# Altium PCB STM32F207VC.PcbDoc (part 12 of 16)
Units mm, origin at the board's own origin, x right, y up, seen from the top; angles counter-clockwise.
Board outline 99.19 x 99.95 mm, 2 copper layers (Top Layer, Bottom Layer); 127 components, 125 nets, 570 pads, 172 vias.
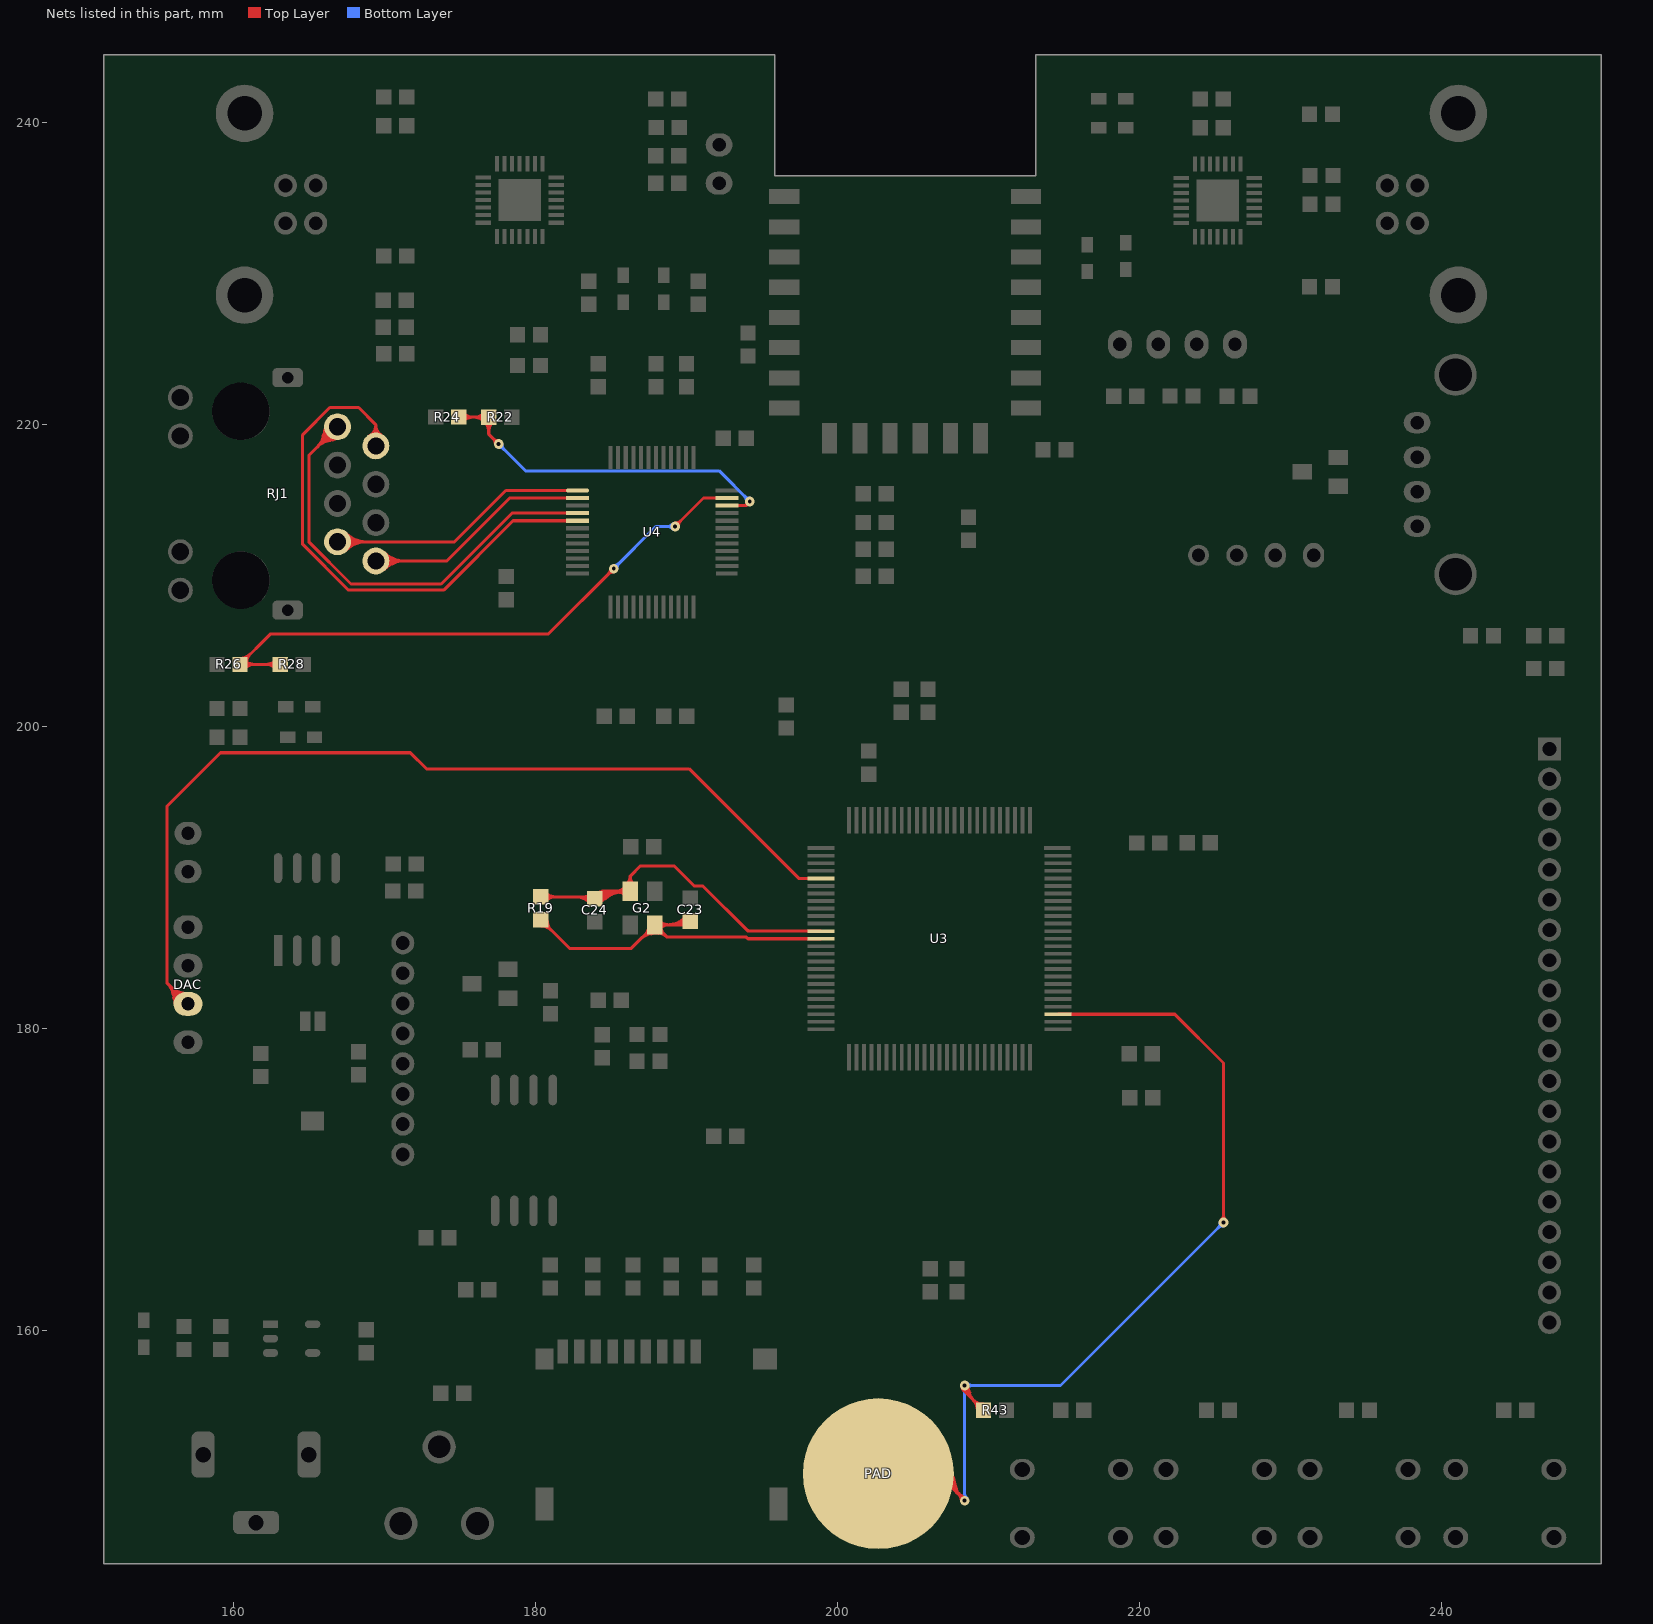
[diagram p12: the nets of this part, all layers, seen from the top]

## Via types
v1: diameter 0.635, hole 0.254, Top Layer to Bottom Layer, tented both sides, 152 vias
v2: diameter 0.635, hole 0.406, Top Layer to Bottom Layer, 18 vias
v3: diameter 1, hole 1, Top Layer to Bottom Layer, 2 vias

## Nets (pads, with @x,y where several pads share a name; then routed paths per layer and width w, separated by ;. In a path a pad name is that pad's centre, name@x,y a point inside that pad or via, vN(x,y) a via of type N, cw(c..) or ccw(c..) an arc to the next point about the centre after c; other vN are vias at no path point) (continued)
OSCIN: C24.2 G2.1 R19.2 U3.12 | length 113.4
  Top Layer w0.203: R19.2@180.346,188.705 183.775,188.705 C24.2@183.902,188.578 ; U3.12@198.895,186.428 194.13,186.428 194.101,186.457 194.035,186.457 191.067,189.425 190.492,189.425 189.163,190.754 186.944,190.754 186.258,190.068 ; R19.2@180.633,188.417 cw(c181.327,187.723) 181.327,188.705 ; R19.2@180.633,188.417 cw(c181.327,187.723) 181.327,188.705 ; R19.2@180.633,188.417 cw(c181.327,187.723) 181.327,188.705 ; R19.2@180.633,188.417 cw(c181.327,187.723) 181.327,188.705 ; R19.2@180.633,188.992 ccw(c181.327,189.686) 181.327,188.705 ; R19.2@180.633,188.992 ccw(c181.327,189.686) 181.327,188.705 ; R19.2@180.633,188.992 ccw(c181.327,189.686) 181.327,188.705 ; R19.2@180.633,188.992 ccw(c181.327,189.686) 181.327,188.705 ; 182.614,188.705 cw(c182.614,187.29) C24.2@183.615,188.29 ; 182.614,188.705 cw(c182.614,187.29) C24.2@183.615,188.29 ; 182.614,188.705 cw(c182.614,187.29) C24.2@183.615,188.29 ; 182.614,188.705 cw(c182.614,187.29) C24.2@183.615,188.29 ; 183.105,188.705 cw(c183.105,187.78) C24.2@183.758,188.434 ; 183.105,188.705 cw(c183.105,187.78) C24.2@183.758,188.434 ; 183.105,188.705 cw(c183.105,187.78) C24.2@183.758,188.434 ; 183.105,188.705 cw(c183.105,187.78) C24.2@183.758,188.434 ; 183.227,188.705 ccw(c183.227,189.252) C24.2@183.615,188.865 ; 183.227,188.705 ccw(c183.227,189.252) C24.2@183.615,188.865 ; 183.227,188.705 ccw(c183.227,189.252) C24.2@183.615,188.865 ; 183.227,188.705 ccw(c183.227,189.252) C24.2@183.615,188.865 ; C24.2@183.758,188.721 cw(c184.618,187.861) 184.618,189.078 ; C24.2@183.758,188.721 cw(c184.618,187.861) 184.618,189.078 ; C24.2@183.758,188.721 cw(c184.618,187.861) 184.618,189.078 ; C24.2@183.758,188.721 cw(c184.618,187.861) 184.618,189.078 ; C24.2@183.77,188.732 cw(c184.323,188.087) C24.2@184.388,188.934 ; C24.2@183.77,188.732 cw(c184.323,188.087) C24.2@184.388,188.934 ; C24.2@183.77,188.732 cw(c184.323,188.087) C24.2@184.388,188.934 ; C24.2@183.77,188.732 cw(c184.323,188.087) C24.2@184.388,188.934 ; C24.2@183.902,188.578 ccw(c184.232,188.827) 184.471,188.49 ; C24.2@183.902,188.578 ccw(c184.232,188.827) 184.471,188.49 ; C24.2@183.902,188.578 cw(c185.109,187.371) 185.109,189.078 ; C24.2@183.902,188.578 ccw(c184.068,188.941) 184.429,188.768 ; C24.2@183.902,188.578 ccw(c184.232,188.827) 184.471,188.49 ; C24.2@183.902,188.578 cw(c185.109,187.371) 185.109,189.078 ; C24.2@183.902,188.578 cw(c185.109,187.371) 185.109,189.078 ; C24.2@183.902,188.578 ccw(c184.068,188.941) 184.429,188.768 ; C24.2@183.902,188.578 ccw(c184.068,188.941) 184.429,188.768 ; C24.2@183.902,188.578 ccw(c184.068,188.941) 184.429,188.768 ; C24.2@183.902,188.578 cw(c185.109,187.371) 185.109,189.078 ; C24.2@183.902,188.578 ccw(c184.232,188.827) 184.471,188.49 ; C24.2@183.902,188.578 ccw(c184.232,188.827) 184.471,188.49 ; C24.2@183.902,188.578 ccw(c184.232,188.827) 184.471,188.49 ; C24.2@183.902,188.578 184.402,189.078 G2.1@186.258,189.078 186.258,190.068 ; C24.2@184.005,188.753 ccw(c184.293,189.245) 184.584,188.755 ; C24.2@184.005,188.753 ccw(c184.293,189.245) 184.584,188.755 ; C24.2@184.005,188.753 ccw(c184.293,189.245) 184.584,188.755 ; C24.2@184.005,188.753 ccw(c184.293,189.245) 184.584,188.755 ; C24.2@184.005,188.753 ccw(c184.293,189.245) 184.584,188.755 ; C24.2@184.005,188.753 ccw(c184.293,189.245) 184.584,188.755 ; C24.2@184.037,188.961 ccw(c184.288,189.675) 184.667,189.019 ; C24.2@184.037,188.961 ccw(c184.288,189.675) 184.667,189.019 ; C24.2@184.037,188.961 ccw(c184.288,189.675) 184.667,189.019 ; C24.2@184.037,188.961 ccw(c184.288,189.675) 184.667,189.019 ; C24.2@184.037,188.961 ccw(c184.288,189.675) 184.667,189.019 ; C24.2@184.037,188.961 ccw(c184.288,189.675) 184.667,189.019 ; C24.2@184.046,188.434 cw(c185.6,186.88) 185.6,189.078 ; C24.2@184.046,188.434 cw(c185.6,186.88) 185.6,189.078 ; C24.2@184.046,188.434 cw(c185.6,186.88) 185.6,189.078 ; C24.2@184.046,188.434 cw(c185.6,186.88) 185.6,189.078 ; C24.2@184.064,188.7 ccw(c184.399,188.954) 184.642,188.611 ; C24.2@184.064,188.7 ccw(c184.399,188.954) 184.642,188.611 ; C24.2@184.064,188.7 ccw(c184.399,188.954) 184.642,188.611 ; C24.2@184.064,188.7 ccw(c184.399,188.954) 184.642,188.611 ; C24.2@184.064,188.7 ccw(c184.399,188.954) 184.642,188.611 ; C24.2@184.064,188.7 ccw(c184.399,188.954) 184.642,188.611 ; C24.2@184.107,188.928 ccw(c184.491,189.583) 184.88,188.931 ; C24.2@184.107,188.928 ccw(c184.491,189.583) 184.88,188.931 ; C24.2@184.107,188.928 ccw(c184.491,189.583) 184.88,188.931 ; C24.2@184.107,188.928 ccw(c184.491,189.583) 184.88,188.931 ; C24.2@184.107,188.928 ccw(c184.491,189.583) 184.88,188.931 ; C24.2@184.107,188.928 ccw(c184.491,189.583) 184.88,188.931 ; C24.2@184.189,188.29 cw(c186.09,186.389) G2.1@186.09,189.078 ; C24.2@184.189,188.29 cw(c186.09,186.389) G2.1@186.09,189.078 ; C24.2@184.189,188.29 cw(c186.09,186.389) G2.1@186.09,189.078 ; C24.2@184.189,188.29 cw(c186.09,186.389) G2.1@186.09,189.078 ; C24.2@184.226,188.823 ccw(c184.567,189.081) 184.813,188.732 ; C24.2@184.226,188.823 ccw(c184.567,189.081) 184.813,188.732 ; C24.2@184.226,188.823 ccw(c184.567,189.081) 184.813,188.732 ; C24.2@184.226,188.823 ccw(c184.567,189.081) 184.813,188.732 ; C24.2@184.226,188.823 ccw(c184.567,189.081) 184.813,188.732 ; C24.2@184.226,188.823 ccw(c184.567,189.081) 184.813,188.732 ; C24.2@184.296,188.478 cw(c184.595,188.402) 184.437,188.667 ; C24.2@184.296,188.478 cw(c184.595,188.402) 184.437,188.667 ; C24.2@184.296,188.478 cw(c184.595,188.402) 184.437,188.667 ; C24.2@184.296,188.478 cw(c184.595,188.402) 184.437,188.667 ; C24.2@184.296,188.478 cw(c184.595,188.402) 184.437,188.667 ; C24.2@184.296,188.478 cw(c184.595,188.402) 184.437,188.667 ; C24.2@184.301,188.503 cw(c185.046,188.364) 184.667,189.019 ; C24.2@184.301,188.503 cw(c185.046,188.364) 184.667,189.019 ; C24.2@184.301,188.503 cw(c185.046,188.364) 184.667,189.019 ; C24.2@184.301,188.503 cw(c185.046,188.364) 184.667,189.019 ; C24.2@184.301,188.503 cw(c185.046,188.364) 184.667,189.019 ; C24.2@184.301,188.503 cw(c185.046,188.364) 184.667,189.019 ; 185.277,189.078 cw(c185.277,188.096) G2.1@185.971,188.79 ; 185.277,189.078 ccw(c185.277,190.059) G2.1@185.971,189.365 ; 185.277,189.078 cw(c185.277,188.096) G2.1@185.971,188.79 ; 185.277,189.078 ccw(c185.277,190.059) G2.1@185.971,189.365 ; 185.277,189.078 ccw(c185.277,190.059) G2.1@185.971,189.365 ; 185.277,189.078 cw(c185.277,188.096) G2.1@185.971,188.79 ; 185.277,189.078 ccw(c185.277,190.059) G2.1@185.971,189.365 ; 185.277,189.078 cw(c185.277,188.096) G2.1@185.971,188.79 ; 185.565,188.983 cw(c185.615,188.706) G2.1@185.878,188.806 ; 185.565,188.983 cw(c185.615,188.706) G2.1@185.878,188.806 ; 185.565,188.983 cw(c185.615,188.706) G2.1@185.878,188.806 ; 185.565,188.983 cw(c185.615,188.706) G2.1@185.878,188.806 ; 185.565,188.983 cw(c185.615,188.706) G2.1@185.878,188.806 ; 185.565,188.983 cw(c185.615,188.706) G2.1@185.878,188.806 ; 185.565,188.983 cw(c185.615,188.706) G2.1@185.878,188.806 ; 185.565,188.983 cw(c185.615,188.706) G2.1@185.878,188.806 ; 185.633,188.995 ccw(c185.553,189.441) G2.1@185.925,189.183 ; 185.633,188.995 ccw(c185.553,189.441) G2.1@185.925,189.183 ; 185.633,188.995 ccw(c185.553,189.441) G2.1@185.925,189.183 ; 185.633,188.995 ccw(c185.553,189.441) G2.1@185.925,189.183 ; 185.633,188.995 ccw(c185.553,189.441) G2.1@185.925,189.183 ; 185.633,188.995 ccw(c185.553,189.441) G2.1@185.925,189.183 ; 185.633,188.995 ccw(c185.553,189.441) G2.1@185.925,189.183 ; 185.633,188.995 ccw(c185.553,189.441) G2.1@185.925,189.183 ; G2.1@185.999,189.518 ccw(c185.544,190.068) 186.258,190.068 ; G2.1@185.999,189.518 ccw(c185.544,190.068) 186.258,190.068 ; G2.1@185.999,189.518 ccw(c185.544,190.068) 186.258,190.068 ; G2.1@185.999,189.518 ccw(c185.544,190.068) 186.258,190.068 ; 186.258,190.068 ccw(c186.973,190.068) G2.1@186.517,189.518 ; 186.258,190.068 ccw(c186.973,190.068) G2.1@186.517,189.518 ; 186.258,190.068 ccw(c186.973,190.068) G2.1@186.517,189.518 ; 186.258,190.068 ccw(c186.973,190.068) G2.1@186.517,189.518
OSCOUT: C23.2 G2.3 R19.1 U3.13 | length 89.5
  Top Layer w0.203: U3.13@198.895,185.928 194.066,185.928 194.031,185.963 194.02,185.963 193.933,186.05 188.676,186.05 ; R19.1@180.346,186.774 cw(c180.346,185.793) 181.04,186.487 ; R19.1@180.346,186.774 cw(c180.346,185.793) 181.04,186.487 ; R19.1@180.346,186.774 cw(c180.346,185.793) 181.04,186.487 ; R19.1@180.346,186.774 cw(c180.346,185.793) 181.04,186.487 ; R19.1@180.346,187.181 cw(c180.203,186.485) 180.89,186.669 ; R19.1@180.346,187.181 cw(c180.203,186.485) 180.89,186.669 ; R19.1@180.346,187.181 ccw(c181.042,187.323) 180.858,186.637 ; R19.1@180.346,187.181 ccw(c181.042,187.323) 180.858,186.637 ; R19.1@180.346,187.181 cw(c180.203,186.485) 180.89,186.669 ; R19.1@180.346,187.181 ccw(c181.042,187.323) 180.858,186.637 ; R19.1@180.346,187.181 ccw(c181.042,187.323) 180.858,186.637 ; R19.1@180.346,187.181 ccw(c181.042,187.323) 180.858,186.637 ; R19.1@180.346,187.181 ccw(c181.042,187.323) 180.858,186.637 ; R19.1@180.346,187.181 cw(c180.203,186.485) 180.89,186.669 ; R19.1@180.346,187.181 cw(c180.203,186.485) 180.89,186.669 ; R19.1@180.346,187.181 cw(c180.203,186.485) 180.89,186.669 ; R19.1@180.346,187.181 182.234,185.293 186.334,185.293 G2.3@187.884,186.842 ; R19.1@180.752,187.181 ccw(c181.733,187.181) 181.04,186.487 ; R19.1@180.752,187.181 ccw(c181.733,187.181) 181.04,186.487 ; R19.1@180.752,187.181 ccw(c181.733,187.181) 181.04,186.487 ; R19.1@180.752,187.181 ccw(c181.733,187.181) 181.04,186.487 ; 186.973,185.932 cw(c187.884,185.021) G2.3@187.884,186.309 ; 186.973,185.932 cw(c187.884,185.021) G2.3@187.884,186.309 ; 186.973,185.932 cw(c187.884,185.021) G2.3@187.884,186.309 ; 186.973,185.932 cw(c187.884,185.021) G2.3@187.884,186.309 ; 187.28,186.238 ccw(c186.803,186.715) G2.3@187.477,186.715 ; 187.28,186.238 ccw(c186.803,186.715) G2.3@187.477,186.715 ; 187.28,186.238 ccw(c186.803,186.715) G2.3@187.477,186.715 ; 187.28,186.238 ccw(c186.803,186.715) G2.3@187.477,186.715 ; 187.296,186.152 ccw(c187.078,186.967) G2.3@187.884,186.715 ; 187.296,186.152 ccw(c187.078,186.967) G2.3@187.884,186.715 ; 187.296,186.152 ccw(c187.078,186.967) G2.3@187.884,186.715 ; 187.296,186.152 ccw(c187.078,186.967) G2.3@187.884,186.715 ; 187.296,186.152 ccw(c187.078,186.967) G2.3@187.884,186.715 ; 187.296,186.152 ccw(c187.078,186.967) G2.3@187.884,186.715 ; 187.32,186.279 cw(c187.884,185.715) G2.3@187.884,186.512 ; 187.32,186.279 cw(c187.884,185.715) G2.3@187.884,186.512 ; 187.32,186.279 cw(c187.884,185.715) G2.3@187.884,186.512 ; 187.32,186.279 cw(c187.884,185.715) G2.3@187.884,186.512 ; G2.3@187.653,186.247 ccw(c187.495,186.837) G2.3@188.078,186.655 ; G2.3@187.653,186.247 ccw(c187.495,186.837) G2.3@188.078,186.655 ; G2.3@187.653,186.247 ccw(c187.495,186.837) G2.3@188.078,186.655 ; G2.3@187.653,186.247 ccw(c187.495,186.837) G2.3@188.078,186.655 ; G2.3@187.653,186.247 ccw(c187.495,186.837) G2.3@188.078,186.655 ; G2.3@187.653,186.247 ccw(c187.495,186.837) G2.3@188.078,186.655 ; G2.3@187.717,186.6 ccw(c188.379,187.058) G2.3@188.259,186.262 ; G2.3@187.717,186.6 ccw(c188.379,187.058) G2.3@188.259,186.262 ; G2.3@187.717,186.6 ccw(c188.379,187.058) G2.3@188.259,186.262 ; G2.3@187.717,186.6 ccw(c188.379,187.058) G2.3@188.259,186.262 ; G2.3@187.717,186.6 ccw(c188.379,187.058) G2.3@188.259,186.262 ; G2.3@187.717,186.6 ccw(c188.379,187.058) G2.3@188.259,186.262 ; G2.3@187.884,186.842 189.994,186.842 C23.2@190.24,187.088 ; G2.3@187.884,186.842 188.676,186.05 ; G2.3@187.907,186.513 cw(c187.971,185.942) G2.3@188.378,186.349 ; G2.3@187.907,186.513 cw(c187.971,185.942) G2.3@188.378,186.349 ; G2.3@187.907,186.513 cw(c187.971,185.942) G2.3@188.378,186.349 ; G2.3@187.907,186.513 cw(c187.971,185.942) G2.3@188.378,186.349 ; G2.3@187.929,186.312 cw(c188.031,185.406) 188.676,186.05 ; G2.3@187.929,186.312 cw(c188.031,185.406) 188.676,186.05 ; G2.3@187.929,186.312 cw(c188.031,185.406) 188.676,186.05 ; G2.3@187.929,186.312 cw(c188.031,185.406) 188.676,186.05 ; G2.3@188.171,186.555 cw(c188.865,185.861) 188.865,186.842 ; G2.3@188.171,186.555 cw(c188.865,185.861) 188.865,186.842 ; G2.3@188.171,186.555 cw(c188.865,185.861) 188.865,186.842 ; G2.3@188.171,186.555 cw(c188.865,185.861) 188.865,186.842 ; G2.3@188.171,187.13 ccw(c188.865,187.824) 188.865,186.842 ; G2.3@188.171,187.13 ccw(c188.865,187.824) 188.865,186.842 ; G2.3@188.171,187.13 ccw(c188.865,187.824) 188.865,186.842 ; G2.3@188.171,187.13 ccw(c188.865,187.824) 188.865,186.842 ; G2.3@188.29,186.715 ccw(c188.965,186.715) 188.488,186.238 ; G2.3@188.29,186.715 ccw(c188.965,186.715) 188.488,186.238 ; G2.3@188.29,186.715 ccw(c188.965,186.715) 188.488,186.238 ; G2.3@188.29,186.715 ccw(c188.965,186.715) 188.488,186.238 ; 188.665,186.842 ccw(c188.665,188.663) C23.2@189.953,187.376 ; 188.665,186.842 ccw(c188.665,188.663) C23.2@189.953,187.376 ; 188.665,186.842 ccw(c188.665,188.663) C23.2@189.953,187.376 ; 188.665,186.842 ccw(c188.665,188.663) C23.2@189.953,187.376 ; 189.156,186.842 ccw(c189.156,188.173) C23.2@190.096,187.232 ; 189.156,186.842 ccw(c189.156,188.173) C23.2@190.096,187.232 ; 189.156,186.842 ccw(c189.156,188.173) C23.2@190.096,187.232 ; 189.156,186.842 ccw(c189.156,188.173) C23.2@190.096,187.232 ; 189.598,186.944 cw(c189.709,186.752) C23.2@189.897,186.871 ; 189.598,186.944 cw(c189.709,186.752) C23.2@189.897,186.871 ; 189.598,186.944 cw(c189.709,186.752) C23.2@189.897,186.871 ; 189.598,186.944 cw(c189.709,186.752) C23.2@189.897,186.871 ; 189.598,186.944 cw(c189.709,186.752) C23.2@189.897,186.871 ; 189.598,186.944 cw(c189.709,186.752) C23.2@189.897,186.871 ; 189.646,186.842 ccw(c189.646,187.682) C23.2@190.24,187.088 ; 189.646,186.842 ccw(c189.646,187.682) C23.2@190.24,187.088 ; 189.646,186.842 ccw(c189.646,187.682) C23.2@190.24,187.088 ; 189.646,186.842 ccw(c189.646,187.682) C23.2@190.24,187.088 ; 189.703,187.005 ccw(c189.547,187.274) C23.2@189.848,187.194 ; 189.703,187.005 ccw(c189.547,187.274) C23.2@189.848,187.194 ; 189.703,187.005 ccw(c189.547,187.274) C23.2@189.848,187.194 ; 189.703,187.005 ccw(c189.547,187.274) C23.2@189.848,187.194 ; 189.703,187.005 ccw(c189.547,187.274) C23.2@189.848,187.194 ; 189.703,187.005 ccw(c189.547,187.274) C23.2@189.848,187.194
PAD: PAD.1 R43.1 U3.53 | length 369.6
  Top Layer w0.203: PAD.1@202.692,150.495 206.629,150.495 v1(208.407,148.717) ; v1(208.407,156.337) 208.407,155.945 ; U3.53@214.595,180.928 222.324,180.928 225.552,177.7 v1(225.552,167.132) ; PAD.1@202.178,153.683 cw(c202.958,148.844) 207.693,150.113 ; PAD.1@202.178,153.683 cw(c202.958,148.844) 207.693,150.113 ; PAD.1@202.178,153.683 cw(c202.958,148.844) 207.693,150.113 ; PAD.1@202.178,153.683 cw(c202.958,148.844) 207.693,150.113 ; PAD.1@202.178,153.683 cw(c202.958,148.844) 207.693,150.113 ; PAD.1@202.208,152.863 cw(c203.144,148.287) 207.655,149.496 ; PAD.1@202.208,152.863 cw(c203.144,148.287) 207.655,149.496 ; PAD.1@202.208,152.863 cw(c203.144,148.287) 207.655,149.496 ; PAD.1@202.208,152.863 cw(c203.144,148.287) 207.655,149.496 ; PAD.1@202.208,152.863 cw(c203.144,148.287) 207.655,149.496 ; PAD.1@202.208,152.863 cw(c203.144,148.287) 207.655,149.496 ; PAD.1@202.21,153.483 cw(c202.994,148.621) 207.751,149.896 ; PAD.1@202.21,153.483 cw(c202.994,148.621) 207.751,149.896 ; PAD.1@202.21,153.483 cw(c202.994,148.621) 207.751,149.896 ; PAD.1@202.21,153.483 cw(c202.994,148.621) 207.751,149.896 ; PAD.1@202.21,153.483 cw(c202.994,148.621) 207.751,149.896 ; PAD.1@202.242,153.282 cw(c203.03,148.398) 207.809,149.678 ; PAD.1@202.242,153.282 cw(c203.03,148.398) 207.809,149.678 ; PAD.1@202.242,153.282 cw(c203.03,148.398) 207.809,149.678 ; PAD.1@202.242,153.282 cw(c203.03,148.398) 207.809,149.678 ; PAD.1@202.242,153.282 cw(c203.03,148.398) 207.809,149.678 ; PAD.1@202.275,153.082 cw(c203.066,148.175) 207.867,149.461 ; PAD.1@202.275,153.082 cw(c203.066,148.175) 207.867,149.461 ; PAD.1@202.275,153.082 cw(c203.066,148.175) 207.867,149.461 ; PAD.1@202.275,153.082 cw(c203.066,148.175) 207.867,149.461 ; PAD.1@202.275,153.082 cw(c203.066,148.175) 207.867,149.461 ; PAD.1@202.307,152.881 cw(c203.102,147.951) 207.926,149.244 ; PAD.1@202.307,152.881 cw(c203.102,147.951) 207.926,149.244 ; PAD.1@202.307,152.881 cw(c203.102,147.951) 207.926,149.244 ; PAD.1@202.307,152.881 cw(c203.102,147.951) 207.926,149.244 ; PAD.1@202.307,152.881 cw(c203.102,147.951) 207.926,149.244 ; PAD.1@207.387,150.495 ccw(c209.218,150.495) 207.923,149.201 ; PAD.1@207.387,150.495 ccw(c209.218,150.495) 207.923,149.201 ; PAD.1@207.387,150.495 ccw(c209.218,150.495) 207.923,149.201 ; PAD.1@207.387,150.495 ccw(c209.218,150.495) 207.923,149.201 ; PAD.1@207.59,150.495 ccw(c209.911,150.495) v1@208.27,148.854 ; PAD.1@207.59,150.495 ccw(c209.911,150.495) v1@208.27,148.854 ; PAD.1@207.59,150.495 ccw(c209.911,150.495) v1@208.27,148.854 ; PAD.1@207.59,150.495 ccw(c209.911,150.495) v1@208.27,148.854 ; 208.035,149.198 ccw(c208.565,149.561) v1@208.447,148.929 ; 208.035,149.198 ccw(c208.565,149.561) v1@208.447,148.929 ; 208.035,149.198 ccw(c208.565,149.561) v1@208.447,148.929 ; 208.035,149.198 ccw(c208.565,149.561) v1@208.447,148.929 ; 208.035,149.198 ccw(c208.565,149.561) v1@208.447,148.929 ; 208.035,149.198 ccw(c208.565,149.561) v1@208.447,148.929 ; 208.035,149.198 ccw(c208.565,149.561) v1@208.447,148.929 ; 208.035,149.198 ccw(c208.565,149.561) v1@208.447,148.929 ; 208.035,149.198 ccw(c208.565,149.561) v1@208.447,148.929 ; 208.035,149.198 ccw(c208.565,149.561) v1@208.447,148.929 ; 208.038,149.086 cw(c207.67,148.717) v1@208.191,148.717 ; 208.038,149.086 ccw(c208.407,149.454) v1@208.407,148.933 ; 208.038,149.086 cw(c207.67,148.717) v1@208.191,148.717 ; 208.038,149.086 ccw(c208.407,149.454) v1@208.407,148.933 ; 208.038,149.086 ccw(c208.407,149.454) v1@208.407,148.933 ; 208.038,149.086 cw(c207.67,148.717) v1@208.191,148.717 ; 208.038,149.086 ccw(c208.407,149.454) v1@208.407,148.933 ; 208.038,149.086 cw(c207.67,148.717) v1@208.191,148.717 ; 208.113,149.009 ccw(c208.487,149.109) v1@208.41,148.729 ; 208.113,149.009 ccw(c208.487,149.109) v1@208.41,148.729 ; 208.113,149.009 ccw(c208.487,149.109) v1@208.41,148.729 ; 208.113,149.009 ccw(c208.487,149.109) v1@208.41,148.729 ; 208.113,149.009 ccw(c208.487,149.109) v1@208.41,148.729 ; 208.113,149.009 ccw(c208.487,149.109) v1@208.41,148.729 ; 208.115,149.011 cw(c208.015,148.637) v1@208.395,148.714 ; 208.115,149.011 cw(c208.015,148.637) v1@208.395,148.714 ; 208.115,149.011 cw(c208.015,148.637) v1@208.395,148.714 ; 208.115,149.011 cw(c208.015,148.637) v1@208.395,148.714 ; 208.115,149.011 cw(c208.015,148.637) v1@208.395,148.714 ; 208.115,149.011 cw(c208.015,148.637) v1@208.395,148.714 ; 208.132,149.056 cw(c207.802,148.83) v1@208.195,148.757 ; 208.132,149.056 cw(c207.802,148.83) v1@208.195,148.757 ; 208.132,149.056 cw(c207.802,148.83) v1@208.195,148.757 ; 208.132,149.056 cw(c207.802,148.83) v1@208.195,148.757 ; 208.132,149.056 cw(c207.802,148.83) v1@208.195,148.757 ; 208.132,149.056 cw(c207.802,148.83) v1@208.195,148.757 ; 208.132,149.056 cw(c207.802,148.83) v1@208.195,148.757 ; 208.132,149.056 cw(c207.802,148.83) v1@208.195,148.757 ; 208.132,149.056 cw(c207.802,148.83) v1@208.195,148.757 ; 208.132,149.056 cw(c207.802,148.83) v1@208.195,148.757 ; v1@208.216,156.337 ccw(c208.704,156.337) 208.359,155.992 ; v1@208.216,156.337 ccw(c208.704,156.337) 208.359,155.992 ; v1@208.216,156.337 ccw(c208.704,156.337) 208.359,155.992 ; v1@208.216,156.337 ccw(c208.704,156.337) 208.359,155.992 ; 208.236,149.03 cw(c208.111,148.771) v1@208.395,148.719 ; 208.236,149.03 cw(c208.111,148.771) v1@208.395,148.719 ; 208.236,149.03 cw(c208.111,148.771) v1@208.395,148.719 ; 208.236,149.03 cw(c208.111,148.771) v1@208.395,148.719 ; 208.236,149.03 cw(c208.111,148.771) v1@208.395,148.719 ; 208.236,149.03 cw(c208.111,148.771) v1@208.395,148.719 ; 208.236,149.03 cw(c208.111,148.771) v1@208.395,148.719 ; 208.236,149.03 cw(c208.111,148.771) v1@208.395,148.719 ; 208.236,149.03 cw(c208.111,148.771) v1@208.395,148.719 ; v1@208.291,156.155 cw(c208.158,155.945) 208.407,155.945 ; v1@208.291,156.155 cw(c208.158,155.945) 208.407,155.945 ; v1@208.291,156.155 cw(c208.158,155.945) 208.407,155.945 ; v1@208.291,156.155 cw(c208.158,155.945) 208.407,155.945 ; v1@208.304,156.147 cw(c208.058,155.694) 208.556,155.827 ; v1@208.304,156.147 cw(c208.058,155.694) 208.556,155.827 ; v1@208.304,156.147 cw(c208.058,155.694) 208.556,155.827 ; v1@208.304,156.147 cw(c208.058,155.694) 208.556,155.827 ; v1@208.304,156.147 cw(c208.058,155.694) 208.556,155.827 ; v1@208.304,156.147 cw(c208.058,155.694) 208.556,155.827 ; v1@208.401,156.326 cw(c208.029,155.683) 208.747,155.875 ; v1@208.401,156.326 cw(c208.029,155.683) 208.747,155.875 ; v1@208.401,156.326 cw(c208.029,155.683) 208.747,155.875 ; v1@208.401,156.326 cw(c208.029,155.683) 208.747,155.875 ; v1@208.401,156.326 cw(c208.029,155.683) 208.747,155.875 ; 208.407,155.945 cw(c208.656,155.945) v1@208.523,156.155 ; 208.407,155.945 cw(c208.656,155.945) v1@208.523,156.155 ; 208.407,155.945 cw(c208.656,155.945) v1@208.523,156.155 ; 208.407,155.945 cw(c208.656,155.945) v1@208.523,156.155 ; 208.407,155.945 R43.1@209.66,154.692 ; v1@208.42,156.337 ccw(c209.398,156.337) 208.706,155.645 ; v1@208.42,156.337 ccw(c209.398,156.337) 208.706,155.645 ; v1@208.42,156.337 ccw(c209.398,156.337) 208.706,155.645 ; v1@208.42,156.337 ccw(c209.398,156.337) 208.706,155.645 ; 208.546,155.865 cw(c209.009,155.989) v1@208.594,156.229 ; 208.546,155.865 cw(c209.009,155.989) v1@208.594,156.229 ; 208.546,155.865 cw(c209.009,155.989) v1@208.594,156.229 ; 208.546,155.865 cw(c209.009,155.989) v1@208.594,156.229 ; 208.546,155.865 cw(c209.009,155.989) v1@208.594,156.229 ; 208.546,155.865 cw(c209.009,155.989) v1@208.594,156.229 ; v1@208.623,156.337 ccw(c210.092,156.337) 209.053,155.299 ; v1@208.623,156.337 ccw(c210.092,156.337) 209.053,155.299 ; v1@208.623,156.337 ccw(c210.092,156.337) 209.053,155.299 ; v1@208.623,156.337 ccw(c210.092,156.337) 209.053,155.299 ; 208.672,156.054 ccw(c208.492,155.874) 208.446,156.125 cw(c208.492,155.874) 208.672,156.054 ; 208.672,156.054 cw(c208.833,156.215) 208.615,156.278 ccw(c208.833,156.215) 208.672,156.054 ; 208.966,155.386 cw(c208.272,154.692) R43.1@209.253,154.692 ; 208.966,155.386 ccw(c209.66,156.079) R43.1@209.66,155.098 ; 208.966,155.386 cw(c208.272,154.692) R43.1@209.253,154.692 ; 208.966,155.386 ccw(c209.66,156.079) R43.1@209.66,155.098 ; 208.966,155.386 ccw(c209.66,156.079) R43.1@209.66,155.098 ; 208.966,155.386 cw(c208.272,154.692) R43.1@209.253,154.692 ; 208.966,155.386 ccw(c209.66,156.079) R43.1@209.66,155.098 ; 208.966,155.386 cw(c208.272,154.692) R43.1@209.253,154.692 ; 209.116,155.204 ccw(c209.802,155.388) R43.1@209.66,154.692 ; 209.116,155.204 ccw(c209.802,155.388) R43.1@209.66,154.692 ; 209.116,155.204 ccw(c209.802,155.388) R43.1@209.66,154.692 ; 209.116,155.204 ccw(c209.802,155.388) R43.1@209.66,154.692 ; 209.116,155.204 ccw(c209.802,155.388) R43.1@209.66,154.692 ; 209.116,155.204 ccw(c209.802,155.388) R43.1@209.66,154.692 ; 209.148,155.236 cw(c208.964,154.549) R43.1@209.66,154.692 ; 209.148,155.236 cw(c208.964,154.549) R43.1@209.66,154.692 ; 209.148,155.236 cw(c208.964,154.549) R43.1@209.66,154.692 ; 209.148,155.236 cw(c208.964,154.549) R43.1@209.66,154.692 ; 209.148,155.236 cw(c208.964,154.549) R43.1@209.66,154.692 ; 209.148,155.236 cw(c208.964,154.549) R43.1@209.66,154.692 ; v1@225.399,167.285 ccw(c225.031,167.653) 225.552,167.653 ; v1@225.399,167.285 ccw(c225.031,167.653) 225.552,167.653 ; v1@225.399,167.285 ccw(c225.031,167.653) 225.552,167.653 ; v1@225.399,167.285 ccw(c225.031,167.653) 225.552,167.653 ; 225.552,167.653 ccw(c226.073,167.653) v1@225.705,167.285 ; 225.552,167.653 ccw(c226.073,167.653) v1@225.705,167.285 ; 225.552,167.653 ccw(c226.073,167.653) v1@225.705,167.285 ; 225.552,167.653 ccw(c226.073,167.653) v1@225.705,167.285